# Altium PCB PCB1.PcbDoc (part 1 of 2) (continued)
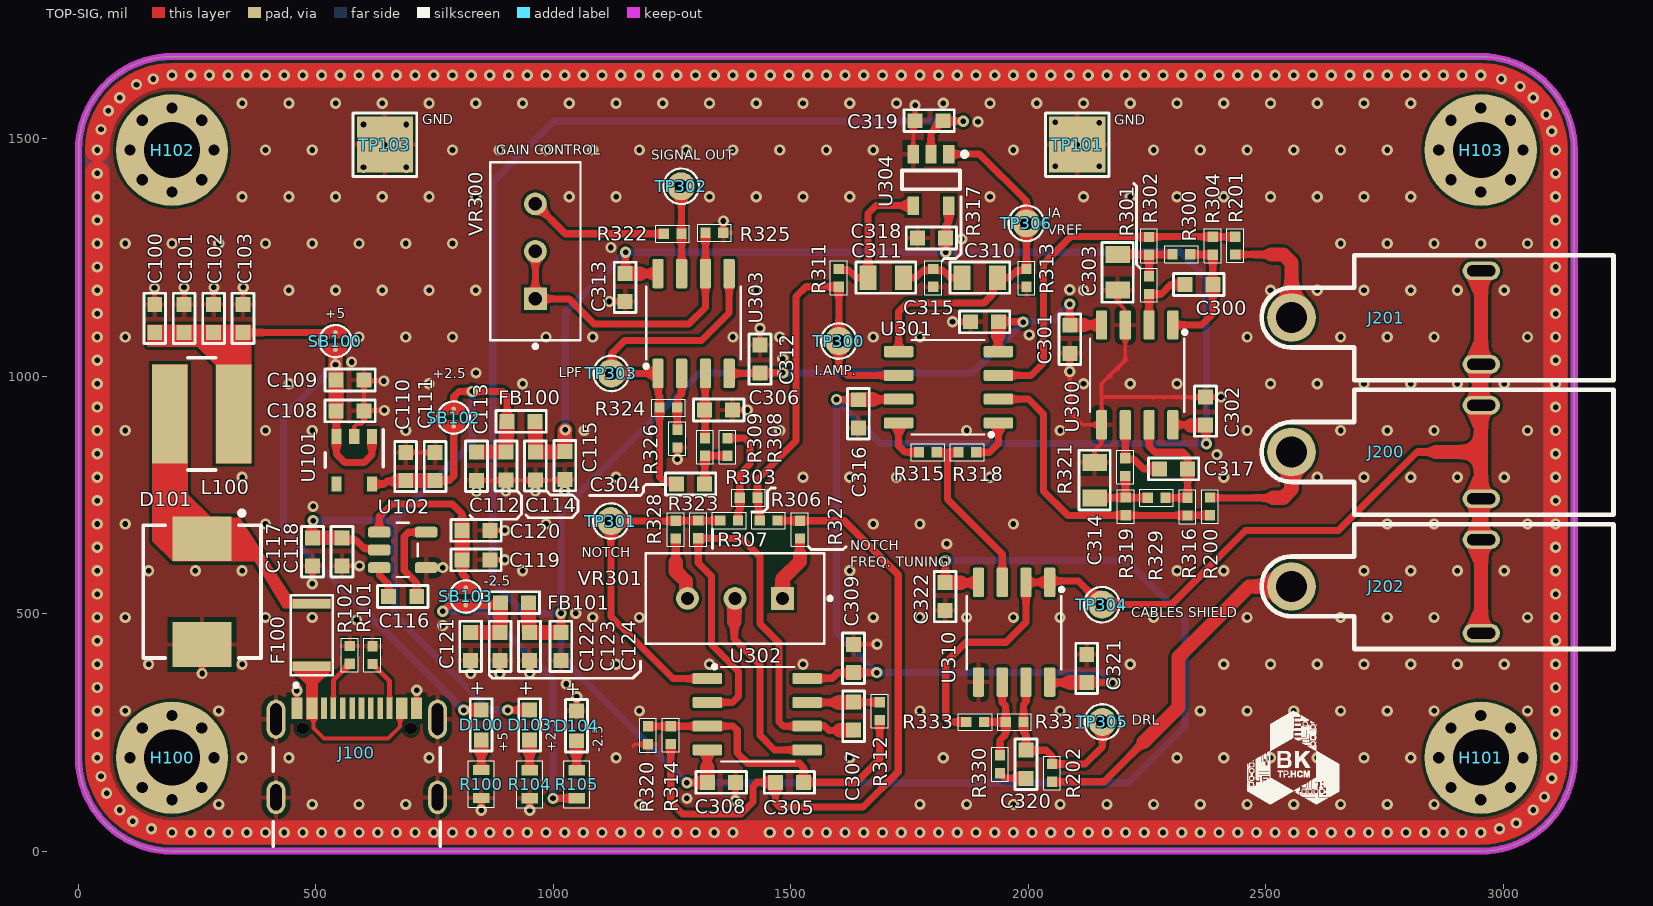
[diagram p0: TOP-SIG view]
## Footprints (in the part's own frame and the unit in brackets; to place one, negate y for a bottom-side part, rotate by r counter-clockwise, add the part's x,y. Pads: shape width x height; smd on the part's side, far side on the other; paste and mask are expansions set on the pad)
"3mm with via" [mm]
  round 6 hole 3 mask+1.5: 0(0,0)
CAP_0603 [mm]
  rect 0.8x0.8 smd: 1(-0.801,0.076) 2(0.699,0.076)
  silkscreen extent -1.4,-0.51 1.3,0.66, body extent -0.85,-0.32 0.75,0.48, height 0.8
CAP_0805 [mm]
  rect 0.9x1.3 smd: 1(-0.975,-0.025) 2(0.925,-0.025)
  silkscreen extent -1.63,-0.86 1.57,0.81, body extent -1.03,-0.65 0.97,0.6, height 0.6
DBV0005A_L [mm]
  rect 0.8x0.55 smd paste+0 mask+0: 1(-1.275,0.95) 2(-1.275,0) 3(-1.275,-0.95) 4(1.275,-0.95) 5(1.275,0.95)
  silkscreen extent -1.63,-1.55 0.38,1.55, body extent -1.5,-1.55 1.5,1.55, height 1.7
"DIN42802-1.5MM SOCKET" [mm]
  oval 2x1 hole 0.6 slot 1.5 at 0 deg: 1(10.15,2.5) 3(10.15,-2.5)
  round 2.6 hole 1.65: 2(0,0)
  silkscreen extent -1.6,-3.35 17.22,3.33, body extent -2.28,-3.19 17.22,3.16, height 6.35
FER_0603 [mm]
  rect 0.8x0.8 smd: 1(-0.801,0.076) 2(0.699,0.076)
  silkscreen extent -1.4,-0.51 1.3,0.66, body extent -0.85,-0.32 0.75,0.48, height 0.8
Fuse_SMD_1206 [mil] "Fuse SMD, size 1206"
  rect 20x80 smd: 0(-66,0) 1(66,0)
  silkscreen extent -85,-44 84,44, body extent -69,-36 69,36, height 20
GCT_USB4105-GF-A [mm]
  rect 0.6x1.15 smd mask+0.05: A1_B12(-3.2,4.755) A4_B9(-2.4,4.755) B1_A12(3.2,4.755) B4_A9(2.4,4.755)
  rect 0.3x1.15 smd mask+0.05: A5(-1.25,4.755) A6(-0.25,4.755) A7(0.25,4.755) A8(1.25,4.755) B5(1.75,4.755) B6(0.75,4.755) B7(-0.75,4.755) B8(-1.75,4.755)
  oval 1x2.1 hole 0.6 slot 1.7 at 90 deg: SH1(-4.32,4.18) SH2(4.32,4.18)
  oval 1x1.8 hole 0.6 slot 1.4 at 90 deg: SH3(-4.32,0) SH4(4.32,0)
  round 0.65 hole 0.65 unplated: ""(-2.89,3.68) ""(2.89,3.68)
  silkscreen extent -4.47,-2.6 4.47,6.1, body extent -4.47,-2.6 4.47,5.11, height 3.31
Inductor_CDRH4D28 [mm] "SMD Power Inductor, body 4.8x4.8x2.8 mm"
  rect 1.9x5.3 smd: 1(-1.7,0) 2(1.7,0)
  silkscreen extent -0.75,-3 0.75,3, body extent -2.42,-2.42 2.48,2.48, height 2.91
R0402 [mm] "Chip Resistor, 2-Leads, Body 1.00x0.50mm, IPC Medium Density"
  rect 0.55x0.55 smd: 1(-0.475,0) 2(0.475,0)
  silkscreen extent -0.9,-0.45 0.9,0.45, body extent -0.5,-0.25 0.5,0.25, height 0.35
R0603 [mm]
  rect 0.55x0.9 smd: 1(-0.75,0) 2(0.75,0)
  silkscreen extent -1.25,-0.7 1.25,0.7, body extent -0.77,-0.43 0.77,0.43, height 0.45
"SMC (DO-214AB)" [mm] "Molded Diode, 2-Leads, Body 6.85x5.91mm, IPC Medium Density"
  rect 2.4x3.15 smd: 1(-2.825,0) 2(2.825,0)
  silkscreen extent -4.32,-3.15 3.55,3.15, body extent -3.77,-3.11 3.77,3.11, height 2.62
SOIC-8 [mm]
  rrect25% 1.57x0.6 smd: 1(-2.667,1.905) 2(-2.667,0.635) 3(-2.667,-0.635) 4(-2.667,-1.905) 5(2.667,-1.905) 6(2.667,-0.635) 7(2.667,0.635) 8(2.667,1.905)
  silkscreen extent -2.39,-2.52 1.98,2.64, body extent -2.97,-2.45 3.02,2.45, height 1.75
SolderBridgeOpen [mil]
  round 10 smd mask+0: 1(18,0) 2(-18,0)
  TOP-SIG region: -10,20 -10,-20 -19,-20 -30,-9 -30,10 -20,20
  TOP-SIG region: 10,20 10,-20 19,-20 30,-9 30,10 20,20
  TOP-SIG lines w10: 10,-20 ccw(c10,0) 10,20 10,-20 ; -10,-20 cw(c-10,0) -10,20 -10,-20
  silkscreen extent -34,-34 34,34
SOT95P280X145-5N [mm]
  rrect50% 1.21x0.59 smd: 1(-1.255,0.95) 2(-1.255,0) 3(-1.255,-0.95) 4(1.255,-0.95) 5(1.255,0.95)
  silkscreen extent -0.33,-1.45 0.8,1.45, body extent -1.5,-1.55 1.5,1.55, height 1.7
SOT-23 [mm] "SOT23, 5-Leads, Body 2.90x2.80mm, Pitch 0.95mm, IPC Medium Density"
  rect 1x0.6 smd: 1(-1.375,0.95) 2(-1.375,0) 3(-1.375,-0.95) 4(1.375,-0.95) 5(1.375,0.95)
  silkscreen extent -1.5,-1.55 0.5,1.93, body extent -1.5,-1.53 1.5,1.53, height 1.45
TestPoint_Pad_3.0x3.0mm [mm]
  rect 3x3 smd paste-2539.97 mask+0: 1(0,0)
  silkscreen extent -1.7,-1.7 1.7,1.7
TestPoint_THTPad_D1.5mm_Drill0.7mm [mm]
  round 1.5 / inner round 1.524 / far side round 1.5 hole 0.7 paste-2539.97 mask+0: 1(0,0)
  silkscreen extent -0.95,-0.95 0.95,0.95
TRIM_3296W [mm]
  rect 1.218x1.218 hole 0.71: 1(-2.54,0)
  round 1.218 hole 0.71: 2(0,0) 3(2.54,0)
  silkscreen extent -5.18,-2.41 4.76,2.42, body extent -4.76,-2.41 4.76,2.42, height 11.55
WL-SMCW_0603_H=0.7mm [mm] "SMD Mono-color Chip LED, body 1.6x0.8mm"
  rect 0.8x0.8 smd: 1(-0.8,0) 2(0.8,0)
  silkscreen extent -1.4,-0.58 1.4,0.58, body extent -0.8,-0.4 0.8,0.4, height 0.7

## Part data
C100 C112 C114 C121 C123: library part 0106031061010, "CAP, size 0603, 10 uF, 10 VDC", Capacitance="10 uF", Manufacture Name="Samsung Electro-Mechanics", Manufacture SN=CL10A106KP8NNWC, Operating Temperature="-55 to +125degC", Tolerance=+/-10%, Voltage Rating DC="10 VDC", Buy=http://tme.vn/Product.aspx?id=1165#page=pro_info, ComponentLink2Description=Datasheet, ComponentLink2URL=https://www.mouser.vn/datasheet/2/585/MLCC-1837944.pdf, Mounting Technology=SMT, Packaging="Tape and Reel", Size=0603, Supplier 1 Name=Mouser, Supplier 1 SN=187-CL10A106KP8NNWC, Supplier 1 URL=https://www.mouser.vn/ProductDetail/Samsung-Electro-Mechanics/CL10A106KP8NNWC?qs=xZ%2FP%252Ba9zWqZx8LSX23YqWA%3D%3D&utm_source=mouser-refine-download&utm_medium=file&utm_campaign=CL10A106KP8NNWC&utm_content=Samsung-Electro-Mechanics, Supplier 2 Name=Digi-Key, Supplier 2 SN=1276-CL10A106KP8NNWCTR-ND, Supplier 2 URL=https://www.digikey.com/en/products/detail/samsung-electro-mechanics/cl10a106kp8nnwc/16572907, Supplier 3 Name=thegioiic, Supplier 3 SN=N/A, Supplier 3 URL=https://www.thegioiic.com/tu-gom-0603-10uf-25v
C101: library part 0106034751035, "CAP, size 0603, 4.7 uF, 35 VDC", Capacitance="4.7 uF", Manufacture Name="Samsung Electro-Mechanics", Manufacture SN=CL10A475KL8NRNC, Operating Temperature="-55 to +125degC", Tolerance=+/-10%, Voltage Rating DC="35 VDC", ComponentLink2Description=Datasheet, ComponentLink2URL=https://www.mouser.vn/datasheet/2/585/MLCC-1837944.pdf, ComponentLink3Description=Buy, ComponentLink3URL=http://www.tme.vn/Product.aspx?id=1163#page=pro_info, Mounting Technology=SMT, Packaging="Tape and Reel", Size=0603, Supplier 1 Name=Mouser, Supplier 1 SN=187-CL10A475KL8NRNC, Supplier 1 URL=https://www.mouser.vn/ProductDetail/Samsung-Electro-Mechanics/CL10A475KL8NRNC?qs=xZ%2FP%252Ba9zWqa0jfvJtp%252BUEg%3D%3D&utm_source=mouser-refine-download&utm_medium=file&utm_campaign=CL10A475KL8NRNC&utm_content=Samsung-Electro-Mechanics, Supplier 2 Name=Digi-Key, Supplier 2 SN=1276-6794-2-ND, Supplier 2 URL=https://www.digikey.com/en/products/detail/samsung-electro-mechanics/cl10a475kl8nrnc/5961278, Supplier 3 Name=thegioiic, Supplier 3 SN=N/A, Supplier 3 URL=N/A
C102 C103 C109 C110 C113 C115 C118 C119 C122 C124 C301 C302 C308 C309 C312 C313 C315 C316 C318 C319 C321 C322: library part 0106031041050, "CAP, size 0603, 100 nF, 50 VDC", Capacitance="100 nF", Manufacture Name=TDK, Manufacture SN=CGA3E3X8R1H104K080AE, Operating Temperature="-55 to +125degC", Tolerance=+/-10%, Voltage Rating DC="50 VDC", ComponentLink2Description=Datasheet, ComponentLink2URL=https://product.tdk.com/system/files/dam/doc/product/capacitor/ceramic/mlcc/catalog/mlcc_automotive_soft_en.pdf?ref_disty=mouser, Mounting Technology=SMT, Packaging="Tape and Reel", Size=0603, Supplier 1 Name=Mouser, Supplier 1 SN=810-CGA3E3X8R1H104KA, Supplier 1 URL=https://www.mouser.com/ProductDetail/TDK/CGA3E3X8R1H104K080AE?qs=nQSIdc08i%252Bd8g3IRRgU2bw%3D%3D&utm_source=mouser-refine-download&utm_medium=file&utm_campaign=CGA3E3X8R1H104K080AE&utm_content=TDK, Supplier 2 Name=Digi-Key, Supplier 2 SN=445-173697-2-ND, Supplier 2 URL=https://www.digikey.com/en/products/detail/tdk-corporation/cga3e3x8r1h104k080ae/5809262, Supplier 3 Name=thegioiic, Supplier 3 SN=N/A, Supplier 3 URL=N/A
  C102 C103: ComponentLink3Description=Buy, ComponentLink3URL=http://www.tme.vn/Product.aspx?id=739#page=pro_info
C108 C111 C116 C117 C120: library part 0106032251010, "CAP, size 0603, 2.2 uF, 10 VDC", Capacitance="2.2 uF", Manufacture Name="Samsung Electro-Mechanics", Manufacture SN=CL10A225KP8NNWC, Operating Temperature="-55 to +125degC", Tolerance=+/-10%, Voltage Rating DC="10 VDC", ComponentLink2Description=Datasheet, ComponentLink2URL=https://www.mouser.vn/datasheet/2/585/Samsung_MLCC_1837944-1929650.pdf, Mounting Technology=SMT, Packaging="Tape and Reel", Size=0603, Supplier 1 Name=Mouser, Supplier 1 SN=187-CL10A225KP8NNWC, Supplier 1 URL=https://www.mouser.vn/ProductDetail/Samsung-Electro-Mechanics/CL10A225KP8NNWC?qs=f6khj2Jg0Fj5oIVDjMV6rg%3D%3D&utm_source=mouser-refine-download&utm_medium=file&utm_campaign=CL10A225KP8NNWC&utm_content=Samsung-Electro-Mechanics, Supplier 2 Name=Digi-Key, Supplier 2 SN=1276-CL10A225KP8NNWCTR-ND, Supplier 2 URL=https://www.digikey.com/en/products/detail/samsung-electro-mechanics/cl10a225kp8nnwc/16572766, Supplier 3 Name=thegioiic, Supplier 3 SN=N/A, Supplier 3 URL=N/A
C300 C304 C306 C317: library part 0106031030550, "CAP, size 0603, 10 nF, 50 VDC", Capacitance="10 nF", Manufacture Name=TDK, Manufacture SN=CGA3E2C0G1H103J080AE, Operating Temperature="-55 to +125degC", Tolerance=+/-5%, Voltage Rating DC="50 VDC", ComponentLink2Description=Datasheet, ComponentLink2URL=https://product.tdk.com/system/files/dam/doc/product/capacitor/ceramic/mlcc/catalog/mlcc_automotive_soft_en.pdf?ref_disty=mouser, Mounting Technology=SMT, Packaging="Tape and Reel", Size=0603, Supplier 1 Name=Mouser, Supplier 1 SN=810-CGA3E2C0G1H103J8, Supplier 1 URL=https://www.mouser.com/ProductDetail/TDK/CGA3E2C0G1H103J080AE?qs=P1JMDcb91o6ZkMITrWTUZQ%3D%3D&utm_source=mouser-refine-download&utm_medium=file&utm_campaign=CGA3E2C0G1H103J080AE&utm_content=TDK, Supplier 2 Name=Digi-Key, Supplier 2 SN=445-CGA3E2C0G1H103J080AETR-ND, Supplier 2 URL=https://www.digikey.com/en/products/detail/tdk-corporation/cga3e2c0g1h103j080ae/11697946, Supplier 3 Name=thegioiic, Supplier 3 SN=N/A, Supplier 3 URL=N/A
C303 C310 C311 C314: library part 0108051061025, "33 µF ±20% 6.3V Ceramic Capacitor X5R 0805 (2012 Metric)", Capacitance="10 uF", Manufacture Name=TDK, Manufacture SN=CGA4J1X7S1E106K125AE, Operating Temperature="-55 to +125degC", Tolerance=+/-10%, Voltage Rating DC="25 VDC", ComponentLink3Description=Buy, ComponentLink3URL=https://www.digikey.com/en/products/detail/tdk-corporation/C2012X5R0J336M125AC/2443464, Mounting Technology=SMT, Packaging="Tape and Reel", Size=0805, Supplier 1 Name=Mouser, Supplier 1 SN=810-CGA4J1X7S1E106K2, Supplier 1 URL=https://www.mouser.vn/ProductDetail/TDK/CGA4J1X7S1E106K125AE?qs=PqoDHHvF64%252BJvhmUzM2odA%3D%3D&utm_source=mouser-refine-download&utm_medium=file&utm_campaign=CGA4J1X7S1E106K125AE&utm_content=TDK, Supplier 2 Name=Digi-Key, Supplier 2 SN=445-181411-2-ND, Supplier 2 URL=https://www.digikey.com/en/products/detail/tdk-corporation/cga4j1x7s1e106k125ae/9744777, Supplier 3 Name=thegioiic, Supplier 3 SN=OEM, Supplier 3 URL=N/A
C305 C307: library part 0106032241050, "CAP, size 0603, 220 nF, 50 VDC", Capacitance="220 nF", Manufacture Name=TDK, Manufacture SN=CGA3E3X7R1H224K080AE, Operating Temperature="-55 to +125degC", Tolerance=+/-10%, Voltage Rating DC="50 VDC", ComponentLink2Description=Datasheet, ComponentLink2URL=https://product.tdk.com/system/files/dam/doc/product/capacitor/ceramic/mlcc/catalog/mlcc_automotive_soft_en.pdf?ref_disty=mouser, Mounting Technology=SMT, Packaging="Tape and Reel", Size=0603, Supplier 1 Name=Mouser, Supplier 1 SN=810-CGA3E3X7R1H224KA, Supplier 1 URL=https://www.mouser.com/ProductDetail/TDK/CGA3E3X7R1H224K080AE?qs=nQSIdc08i%252Bd73MzLq310Yg%3D%3D&utm_source=mouser-refine-download&utm_medium=file&utm_campaign=CGA3E3X7R1H224K080AE&utm_content=TDK, Supplier 2 Name=Digi-Key, Supplier 2 SN=445-173635-2-ND, Supplier 2 URL=https://www.digikey.com/en/products/detail/tdk-corporation/cga3e3x7r1h224k080ae/5809200, Supplier 3 Name=thegioiic, Supplier 3 SN=N/A, Supplier 3 URL=N/A
C320: library part 0106034731050, "CAP, size 0603, 47 nF, 50 VDC", Capacitance="47 nF", Manufacture Name=TDK, Manufacture SN=CGA3E2X7R1H473K080AA, Operating Temperature="-55 to +125degC", Tolerance=+/-10%, Voltage Rating DC="50 VDC", ComponentLink2Description=Datasheet, ComponentLink2URL=https://product.tdk.com/system/files/dam/doc/product/capacitor/ceramic/mlcc/catalog/mlcc_automotive_general_en.pdf?ref_disty=mouser, Mounting Technology=SMT, Packaging="Tape and Reel", Size=0603, Supplier 1 Name=Mouser, Supplier 1 SN=810-CGA3E2X7R1H473K, Supplier 1 URL=https://www.mouser.com/ProductDetail/TDK/CGA3E2X7R1H473K080AA?qs=NRhsANhppD%252BXNlr9LoLgTw%3D%3D&utm_source=mouser-refine-download&utm_medium=file&utm_campaign=CGA3E2X7R1H473K080AA&utm_content=TDK, Supplier 2 Name=Digi-Key, Supplier 2 SN=445-5664-2-ND, Supplier 2 URL=https://www.digikey.com/en/products/detail/tdk-corporation/cga3e2x7r1h473k080aa/2443142, Supplier 3 Name=thegioiic, Supplier 3 SN=N/A, Supplier 3 URL=N/A
D100: library part 160603BlueBlur, "WL-SMCW SMT Mono-color Chip LED Blur, size 0603, Blue, 3.2V, 140deg", Color=Blue, ComponentLink1Description="Datasheet link", ComponentLink1URL=N/A, ComponentLink2Description="Supplier 1 URL", ComponentLink2URL=https://www.mouser.vn/ProductDetail/ams-OSRAM/LB-Q39E-L2OO-35-1?qs=74fRo9GAWsz%2FeNvglIOl1w%3D%3D, ComponentLink3Description="Supplier 2 URL", ComponentLink3URL=https://www.digikey.com/en/products/detail/ams-osram-usa-inc/LB-Q39E-N1OO-35-1/2176321, ComponentLink4Description="Supplier 3 URL", ComponentLink4URL=N/A, ComponentLink5Description=Buy, ComponentLink5URL=https://www.thegioiic.com/led-xanh-duong-0603-dan-smd-trong-suot-harvatek, Size=0603, Supplier 1 Name=Mouser, Supplier 1 SN=720-LBQ39EL2N2351, Supplier 1 URL=https://www.mouser.vn/ProductDetail/ams-OSRAM/LB-Q39E-L2OO-35-1?qs=74fRo9GAWsz%2FeNvglIOl1w%3D%3D, Supplier 2 Name=Digi-Key, Supplier 2 SN=475-LBQ39E-N1OO-35-1TR-ND, Supplier 2 URL=https://www.digikey.com/en/products/detail/ams-osram-usa-inc/LB-Q39E-N1OO-35-1/2176321, Supplier 3 Name=ICDayRoi, Supplier 3 SN=N/A, Supplier 3 URL=N/A, Type=Blur
D101: library part SS34, "Schottky Diodes & Rectifiers 3.0 Amp 40 Volt", Forward Current="3 A", Forward Voltage="500 mV", LCSC Part #=C3008890, Manufacturer="Vishay Semiconductors", Manufacturer Part Number=SS34-E3/57T, Max Surge Current="100 A", Maximum Diode Capacitance=N/A, Operating Temperature Max="+ 85 C", Operating Temperature Min="- 40 C", Package / Case="SMC (DO-214AB)", Peak Reverse Voltage="40 V", Reverse Current="500 uA", Supplier 1 Part Number=625-SS34-E3, Supplier 2 Part Number=SS34-E3/57TGITR-ND, ComponentLink1Description=Datasheet, ComponentLink1URL=https://www.vishay.com/doc?88751, Mount=SMD/SMT, Packaging="Tape and Reel", Power Dissipation=N/A, Recovery Time=N/A, Supplier 1=Mouser, Supplier 1 URL=https://www.mouser.vn/ProductDetail/Vishay-General-Semiconductor/SS34-E3-57T?qs=x2jpVgRnAtMC3f38kYWnRw%3D%3D, Supplier 2=Digi-Key, Supplier 2 URL=https://www.digikey.com/en/products/detail/vishay-general-semiconductor-diodes-division/ss34-e3-57t/1091554, Supplier 3=thegioiic, Supplier 3 Part Number=SS34, Supplier 3 URL=https://www.thegioiic.com/ss34-sma-diode-schottky-3a, Type=Schottky
D103: library part 160603GreenBlur, "WL-SMCW SMT Mono-color Chip LED Blur, size 0603, Green, 3.2V, 140deg", Color=Green, ComponentLink1Description="Datasheet link", ComponentLink1URL=N/A, ComponentLink2Description="Supplier 1 URL", ComponentLink2URL=https://www.mouser.vn/ProductDetail/ROHM-Semiconductor/SMLD12EN1WT86?qs=qSfuJ%252Bfl%2Fd4fR%252B9yZydIwg%3D%3D, ComponentLink3Description="Supplier 2 URL", ComponentLink3URL=https://www.digikey.com/en/products/detail/rohm-semiconductor/SML-D12M8WT86/1641797, ComponentLink4Description="Supplier 3 URL", ComponentLink4URL=N/A, ComponentLink5Description=Buy, ComponentLink5URL=https://www.thegioiic.com/led-xanh-la-0603-dan-smd-trong-suot, Size=0603, Supplier 1 Name=Mouser, Supplier 1 SN=755-SMLD12EN1WT86, Supplier 1 URL=https://www.mouser.vn/ProductDetail/ROHM-Semiconductor/SMLD12EN1WT86?qs=qSfuJ%252Bfl%2Fd4fR%252B9yZydIwg%3D%3D, Supplier 2 Name=Digi-Key, Supplier 2 SN=511-1578-2-ND, Supplier 2 URL=https://www.digikey.com/en/products/detail/rohm-semiconductor/SML-D12M8WT86/1641797, Supplier 3 Name=ICDayRoi, Supplier 3 SN=N/A, Supplier 3 URL=N/A, Type=Blur
D104: library part 160603PinkBlur, "WL-SMCW SMT Mono-color Chip LED Blur, size 0603, Pink", Color=Pink, ComponentLink1Description="Datasheet link", ComponentLink1URL=N/A, ComponentLink2Description="Supplier 1 URL", ComponentLink2URL=N/A, ComponentLink3Description="Supplier 2 URL", ComponentLink3URL=https://www.digikey.com/en/products/detail/rohm-semiconductor/SMLD12HBC7W1/3587026, ComponentLink4Description="Supplier 3 URL", ComponentLink4URL=N/A, ComponentLink5Description=Buy, ComponentLink5URL=https://www.thegioiic.com/led-hong-0603-dan-smd-trong-suot, Size=0603, Supplier 1 Name=Mouser, Supplier 1 SN=N/A, Supplier 1 URL=N/A, Supplier 2 Name=Digi-Key, Supplier 2 SN=846-1108-2-ND, Supplier 2 URL=https://www.digikey.com/en/products/detail/rohm-semiconductor/SMLD12HBC7W1/3587026, Supplier 3 Name=ICDayRoi, Supplier 3 SN=N/A, Supplier 3 URL=N/A, Type=Blur
F100: library part 061206035006, "Resettable Fuse, Size 1206, 6V, 0.35A", Hold Current=0.35A, Manufacturer=Bourns, Threshold Current=100A, Threshold Voltage=6V, Trip Current=0.75A, ComponentLink1Description="Datasheet link", ComponentLink1URL=https://www.bourns.com/docs/Product-Datasheets/mfnsmf.pdf, ComponentLink2Description="Supplier 1 URL", ComponentLink2URL=https://www.mouser.vn/ProductDetail/Bourns/MF-NSMF035-2?qs=3eVyCPG4fwnHDrvs%2FGppSw%3D%3D, ComponentLink3Description="Supplier 2 URL", ComponentLink3URL=https://www.digikey.com/en/products/detail/bourns-inc/MF-NSMF035-2/1232784?s=N4IgTCBcDaILIDEC0A5AyogDAZgKxIgF0BfIA, ComponentLink4Description="Supplier 3 URL", ComponentLink4URL=https://www.thegioiic.com/mf-nsmf035-2-cau-chi-tu-phuc-hoi-1206-6v-0-35a, Mounting Technology=SMT/SMD, Size=1206, Supplier 1 Name=Mouser, Supplier 1 SN=652-MF-NSMF035-2, Supplier 1 URL=https://www.mouser.vn/ProductDetail/Bourns/MF-NSMF035-2?qs=3eVyCPG4fwnHDrvs%2FGppSw%3D%3D, Supplier 2 Name=Digi-Key, Supplier 2 SN=MF-NSMF035-2TR-ND, Supplier 2 URL=https://www.mouser.vn/ProductDetail/Bourns/MF-NSMF035-2?qs=3eVyCPG4fwnHDrvs%2FGppSw%3D%3D, Supplier 3 Name=thegioiic, Supplier 3 SN=MF-NSMF035-2, Supplier 3 URL=https://www.thegioiic.com/mf-nsmf035-2-cau-chi-tu-phuc-hoi-1206-6v-0-35a
FB100 FB101: library part 03060360120125, "Ferrite, 0603, 600 Ohms, 200 mA", Manufacture Name="Wurth Elektronik", Manufacture SN=74279265, Maximum DC Current="200 mA", Maximum DC Resistance="450 mOhms", Operating Temperature="-55 to +125degC", Test Frequency="100 MHz", Tolerance=+/-25%, ComponentLink2Description=Datasheet, ComponentLink2URL=https://www.we-online.com/catalog/datasheet/74279265.pdf, Impedance="600 Ohms", Mounting Technology=SMT, Packaging="Tape and Reel", Size=0603, Supplier 1 Name=Mouser, Supplier 1 SN=710-74279265, Supplier 1 URL=https://www.mouser.com/ProductDetail/Wurth-Elektronik/74279265?qs=sGAEpiMZZMt1hubY80%2Fs8M60rIzA20dglmJIomIYNv0%3D&utm_source=mouser-refine-download&utm_medium=file&utm_campaign=74279265&utm_content=Wurth-Elektronik, Supplier 2 Name=Digi-Key, Supplier 2 SN=N/A, Supplier 2 URL=N/A, Supplier 3 Name=thegioiic, Supplier 3 SN=N/A, Supplier 3 URL=N/A
J100: "USB-C (USB TYPE-C) USB 2.0 Receptacle Connector 24 (16+8 Dummy) Position Surface Mount, Right Angle; Through Hole", Package=None, Availability=Unavailable, ComponentLink1Description=Buy, ComponentLink1URL=https://www.thegioiic.com/cong-usb-cai-3-1-type-c-16-chan-thang-dan-smd, MF="{'manufacturer': u'GCT'}", MP=USB4105-GF-A, Price=None
J200 J201 J202: "3 PIN Socket Female Socket for PCB EEG EMG DIN42802 1.5 mm Connector", ComponentLink1Description=Buy, ComponentLink1URL=https://www.alibaba.com/product-detail/3-PIN-Socket-Female-Socket-for_62497934533.html?chatToken=TDFKeWNGRlpkWFZTWmtkNFRYRnZjVWxhVTBsU2RVcHNkRVpKVTJsMlRteERiM0ZyWlhrM2VHMXhZeTkwTVVSb2RIQnFRMGxKTmtONE9GSllWWFFyVGtka2JsY3ZLMjB6UVdnMmRsaGxWbVZpU2xFNU5HeHRNWHBhVjJNdmFXcHlSelp0VHpKc01sVnFjMGRSYUZSbkwwRm9SM0ZJYjNSd1UxVTFORmszTUhKcGRERnVaVnBHVjJsaVQwdFRTRGx6WnpCcFVURnhXbWRsZHl0UU56bE5NRkJsVjBnelNXRjZibkJGUFE9PSZ2ZXJzaW9uPTIuMC4w&encryptTargetLoginId=8pctgRBMALPo2t4oyiyajgkFqFUijPBH6wdkfYSa%2Bs4%3D
L100: library part IND_22uH_4D28, "22uH 20% 1A SMD Power Inductor 4.8x4.8x2.8 mm", ComponentLink1Description=Buy, ComponentLink1URL=http://tme.vn/Product.aspx?id=1639#page=pro_info, Supply Name=tme, Supply Part Number="22uH 20% 1A SMD Power Inductor 4.8x4.8x2.8 mm", Supply URL=http://www.tme.vn/Product.aspx?id=1639#page=pro_info
R100 R104 R105: "Code 102, 1/10W", ComponentLink1Description=Buy, ComponentLink1URL=https://www.thegioiic.com/dien-tro-1-kohm-0603-1
R101 R102: "RC0402FR-135K1L", ComponentLink1Description=Buy, ComponentLink1URL=https://www.digikey.com/en/products/detail/yageo/RC0402FR-135K1L/14286364
R200 R201 R202 R324: "Code 104, 1/16W 1%", ComponentLink1Description=Buy, ComponentLink1URL=https://www.thegioiic.com/dien-tro-100-kohm-0402-1-
R300 R304 R316 R329: "4.87 MOhms ±1% 0.063W, 1/16W Chip Resistor 0402 (1005 Metric) Moisture Resistant Thick Film", ComponentLink1Description=Buy, ComponentLink1URL=https://www.digikey.com/en/products/detail/yageo/RC0402FR-074M87L/5917698
R301 R321: "3.16 MOhms ±1% 0.063W, 1/16W Chip Resistor 0402 (1005 Metric) Automotive AEC-Q200 Thick Film", ComponentLink1Description=Buy, ComponentLink1URL=https://www.digikey.com/en/products/detail/vishay-dale/CRCW04023M16FKED/1178404
R302 R319: "48.7 kOhms ±1% 0.063W, 1/16W Chip Resistor 0402 (1005 Metric) Automotive AEC-Q200, Moisture Resistant Thick Film", ComponentLink1Description=Buy, ComponentLink1URL=https://www.digikey.com/en/products/detail/yageo/AC0402FR-0748K7L/5895382
R303 R306 R307 R313: "0 Ohms Jumper Chip Resistor 0402 (1005 Metric) Moisture Resistant Thick Film", ComponentLink1Description=Buy, ComponentLink1URL=https://www.digikey.com/en/products/detail/yageo/RC0402JR-070RL/726406
R308: "4.22 kOhms ±1% 0.1W, 1/10W Chip Resistor 0402 (1005 Metric) Automotive AEC-Q200 Thick Film", ComponentLink1Description=Buy, ComponentLink1URL=https://www.digikey.com/en/products/detail/panasonic-electronic-components/ERJ-2RKF4221X/192338
R309: "60.4 kOhms ±1% 0.063W, 1/16W Chip Resistor 0402 (1005 Metric) Moisture Resistant Thick Film", ComponentLink1Description=Buy, ComponentLink1URL=https://www.digikey.com/en/products/detail/yageo/RC0402FR-0760K4L/726643
R311 R317: "138 kOhms ±1% 0.1W, 1/10W Chip Resistor 0402 (1005 Metric) Automotive AEC-Q200, Moisture Resistant Thin Film", ComponentLink1Description=Buy
  R311: ComponentLink1URL=https://www.digikey.com/en/products/detail/koa-speer-electronics-inc/RN73R1ETTP1383F25/10000727
  R317: ComponentLink1URL=https://www.digikey.com/en/products/detail/yageo/RC0402FR-1354K9L/17024812
R312 R323 R327 R328: "14.5 kOhms ±0.5% 0.063W, 1/16W Chip Resistor 0402 (1005 Metric) Thin Film", ComponentLink1Description=Buy, ComponentLink1URL=https://www.digikey.com/en/products/detail/yageo/RT0402DRD0714K5L/7708273
R314 R320: "2.87 MOhms ±1% 0.063W, 1/16W Chip Resistor 0402 (1005 Metric) Automotive AEC-Q200 Thick Film", ComponentLink1Description=Buy, ComponentLink1URL=https://www.digikey.com/en/products/detail/vishay-dale/CRCW04022M87FKED/1178399
R315 R318: "255 Ohms ±1% 0.1W, 1/10W Chip Resistor 0402 (1005 Metric) Automotive AEC-Q200 Thick Film", ComponentLink1Description=Buy, ComponentLink1URL=https://www.digikey.com/en/products/detail/panasonic-electronic-components/ERJ-2RKF2550X/192252
R322 R325 R326 R330 R333: "Code 103, 1/16W 1%", ComponentLink1Description=Buy, ComponentLink1URL=https://www.thegioiic.com/dien-tro-10-kohm-0402-1-
R331: "Code 105, 1/16W 1%", ComponentLink1Description=Buy, ComponentLink1URL=https://www.thegioiic.com/dien-tro-1-mohm-0402-1-
TP300 TP301 TP302 TP303 TP304 TP305 TP306: "Test Point TEST-1BK", Supply Name=BanLinhKien, Supply Part Number="Test Point TEST-1BK", Supply URL=https://banlinhkien.com/test-point-test1bk-mau-den-5c-p18255999.html
U101: "Linear Voltage Regulator IC Positive Fixed 1 Output 200mA SOT-23-5", Mfr_Name="Texas Instruments", ComponentLink1Description=Buy, ComponentLink1URL=https://www.digikey.com/en/products/detail/texas-instruments/TPS7A0525PDBVR/9489224, RefDes=RefDes, Type=TYPE
U102: "60mA Charge Pump Voltage Inverter with Fixed 250kHz Operation", Package="SOT-23-5 Texas Instruments", Arrow_Electronics-Purchase-URL=https://snapeda.com/shop?store=Arrow+Electronics&id=1101412, Availability=Unavailable, ComponentLink1Description=Buy, ComponentLink1URL=https://www.digikey.com/en/products/detail/texas-instruments/TPS60403DBVR/1672064, DigiKey-Purchase-URL=https://snapeda.com/shop?store=DigiKey&id=1101412, MF="Texas Instruments", Mouser-Purchase-URL=https://snapeda.com/shop?store=Mouser&id=1101412, MP=TPS60403DBVR, Price=None, SnapEDA_Link=https://www.snapeda.com/parts/TPS60403DBVR/Texas%20Instruments/view-part/1101412/?ref=snap, Texas_Instruments-Purchase-URL=https://snapeda.com/shop?store=Texas+Instruments&id=1101412
U300 U302 U303 U310: "0.05μV/°C max, Single-Supply CMOS Operational Amplifiers Zero-drift Series", ComponentLink1Description=Buy, ComponentLink1URL=https://www.digikey.com/en/products/detail/texas-instruments/OPA2735AIDR/1572381
U301: "Precision, Low Power Instrumentation Amplifiers", ComponentLink1Description=Buy, ComponentLink1URL=https://www.digikey.com/en/products/detail/texas-instruments/INA128UA-2K5/300998, ComponentLink2Description=Datasheet, ComponentLink2URL=https://www.ti.com/lit/ds/symlink/ina129-ep.pdf?ts=1697381225295&ref_url=https%253A%252F%252Fwww.google.com%252F
U304: "Zero-Drift Amplifier 1 Circuit Rail-to-Rail SOT-23-5", Mfr_Name="Texas Instruments", ComponentLink1Description=Buy, ComponentLink1URL=https://www.digikey.com/en/products/detail/texas-instruments/OPA735AIDBVR/1572946, RefDes=RefDes, Type=Type
VR300: "100 KOhms 0.5W, PC Pins Through Hole Trimmer Potentiometer Cermet 25.0 Turn Top Adjustment", Package="NON STANDARD-3 Bourns", Availability="In Stock", Buy=https://thegioiic.com/3296w-104-bien-tro-100-kohm-3-chan-chinh-top-0-5w, Check_prices=https://www.snapeda.com/parts/3296W-1-250/Bourns/view-part/?ref=eda, MF=Bourns, MP=3296W-1-250, Price=None, Purchase-URL=https://pricing.snapeda.com/search/part/3296W-1-250/?ref=eda, SnapEDA_Link=https://www.snapeda.com/parts/3296W-1-250/Bourns/view-part/?ref=snap
VR301: "1 KOhms 0.5W, PC Pins Through Hole Trimmer Potentiometer Cermet 25.0 Turn Top Adjustment", Buy=https://thegioiic.com/3296w-102-bien-tro-1-kohm-3-chan-chinh-top-0-5w

## Via types
v1: diameter 23.62, hole 11.81, TOP-SIG to BOT-SIG, tented both sides, 532 vias
v2: diameter 23.62, hole 23.62, TOP-SIG to BOT-SIG, 32 vias

## Nets (pads, with @x,y where several pads share a name; then routed paths per layer and width w, separated by ;. In a path a pad name is that pad's centre, name@x,y a point inside that pad or via, vN(x,y) a via of type N, cw(c..) or ccw(c..) an arc to the next point about the centre after c; other vN are vias at no path point)
+2.5: C112.2 C113.2 C117.2 C118.2 D103.2 FB100.1 SB102.1 U102.2 | length 1590.7
  TOP-SIG w15: C117.2@492.7,659.78 493.35,660.43 493.35,695.35 v1(494,696) ; C118.2@554.7,659.78 559.09,655.38 583.62,655.38 601.6,637.4 630.13,637.4 U102.2@633.29,634.25 ; SB102.1@790,931 790,956.98 801.02,968 893.69,968 902.47,959.21 FB100.1@902.47,905 ; v1(904,297) 904.25,297.25 949.61,297.25 D103.2@949.85,297.5
  TOP-SIG w30: C117.2@492.7,659.78 C118.2@554.7,659.78 ; C113.2@838,840 838.26,840.26 899.74,840.26 C112.2@900,840.53 FB100.1@900,902.53
  BOT-SIG w15: v1(494,696) 665,696 ; v1(829,968) 829,860 665,696 ; v1(904,297) 865.2,297 665,497.2 665,696
+2.5_A: C114.2 C115.2 C302.2 C309.1 C313.1 C316.2 C318.1 C321.2 FB100.2 U300.8 U301.7 U302.8 U303.8 U304.5 U310.8 | length 4854.3
  TOP-SIG w8: U310.8@2045,355.98 U310.8@2045.98,355
  TOP-SIG w15: C313.1@1151,1216.53 1151.5,1217.03 1151.5,1260.5 v1(1152,1261) ; 1183,1216 U303.8@1220,1216 ; U302.8@1534.9,364 1535.01,364.11 1587.11,364.11 1598.72,375.72 C309.1@1617.47,375.72 ; v1(1596,951) 1596.24,950.76 1641.76,950.76 C316.2@1642,950.53 ; C309.1@1632,376.47 1632.24,376.24 1680.76,376.24 v1(1681,376) ; 1674,951 1726.2,951 U301.7@1727,951.8 ; v1(1826,1261) 1825,1262 1825,1291 1827.46,1293.46 1827.46,1320.46 1832.4,1325.4 U304.5@1832.4,1359.32 ; U310.8@2045.98,355 2085,355 ; C321.2@2123,355.47 2123.74,354.74 2177.26,354.74 v1(2178,354) ; U300.8@2304.26,897.82 2340.12,897.82 2341.47,896.47 ; C302.2@2372.39,896.47 2374.07,894.79 2374.07,858.93 v1(2375,858)
  TOP-SIG w30: FB100.2@961.53,905 961.76,904.76 961.76,840.76 C114.2@962,840.53 1023.07,840.53 C115.2@1024,841.46 1024,886 v1(1025,887) ; C313.1@1151.53,1216 1183,1216 ; C316.2@1642,950.53 1642.47,951 1674,951 ; 2085,355 C321.2@2122.53,355 ; 2341.47,896.47 C302.2@2372.39,896.47
  BOT-SIG w15: v1(1025,887) 1025,1134 v1(1152,1261) v1(1826,1261) 2321,1261 2375,1207 v1(2375,858) 1689,858 v1(1596,951) 1596,459.24 1679,376.24 1679,376 2153.67,376 2175.67,354 v1(2178,354)
+5: C108.2 C109.2 D100.2 SB100.1 U101.1 U101.3 | length 1315.1
  TOP-SIG w15: C108.2@542.4,927.1 542.73,926.76 542.73,873.72 U101.3@543.07,873.38 543.07,835.93 561,818 601,818 617.87,834.87 U101.1@617.87,873.38 ; v1(811,297) 811.25,297.25 847.75,297.25 D100.2@848,297.5
  TOP-SIG w30: SB100.1@541,1056 v1(541,1024.12) 541,992.25 542.4,990.85 C108.2@542.4,927.1
  BOT-SIG w15: v1(541,1024.12) 432,915.12 432,676 v1(811,297)
-2.5: C121.2 C122.2 FB101.1 R105.2 SB103.1 | length 844.2
  TOP-SIG w15: v1(767,505) 779.73,517.73 815.28,517.73 882.86,517.73 887.95,522.81 FB101.1@888.19,523.06 ; v1(999,111) 999.24,111.24 1048.76,111.24 R105.2@1049,111.47
  TOP-SIG w30: C121.2@825.71,460.58 C122.2@887.71,460.58 887.95,460.83 FB101.1@887.95,522.81
  BOT-SIG w15: v1(767,505) 855.8,505 998.69,362.11 998.69,238.7 999,238.39 v1@999,112.14
-2.5_A: C123.2 C124.2 C301.1 C308.2 C312.2 C315.1 C319.2 C322.1 FB101.2 U300.4 U301.4 U302.4 U303.4 U304.2 U310.4 | length 6733.9
  TOP-SIG w15: C124.2@1015.71,460.58 1015.85,460.73 1015.85,500.85 v1(1016,501) ; v1(1281,144) 1281.5,144.5 1323.5,144.5 C308.2@1324,145 ; 1324,176 1324,213.1 U302.4@1324.15,213.25 ; U303.4@1370,1006 1410,1006 1411,1007 1434.47,1007 v1(1483,1007) ; U304.2@1795,1467.58 1795,1512.47 C319.2@1820.53,1538 1821.03,1537.5 1862.5,1537.5 v1(1863,1537) ; C322.1@1825,565.53 v1(1825,612) ; 1858,565 1894.02,565 U310.4@1895,565.98 ; 1936,1086 1936,1052.8 U301.4@1937,1051.8 ; C315.1@1937.48,1114.71 1988.29,1114.71 v1(1989,1114) ; v1(2087.13,1151.87) 2087.13,1107.48 C301.1@2087.26,1107.35 ; 2117,1108 2154.08,1108 U300.4@2154.26,1107.82
  TOP-SIG w30: FB101.2@947.25,523.06 947.25,463.05 949.71,460.58 C124.2@1015.71,460.58 ; C308.2@1324,145 1324,176 ; C312.2@1434.47,1007 C312.2@1435,1006.47 ; C322.1@1825,565.53 1825.53,565 1858,565 ; 1936,1086 1936.74,1086.74 1936.74,1113.96 C315.1@1937.48,1114.71 ; C301.1@2087.26,1107.35 2087.91,1108 2117,1108
  BOT-SIG w15: v1(1825,612) 2207,612 2330,489 2330,263 2211,144 v1(1281,144) 1016,409 v1(1016,501) ; v1(1863,1537) 1000,1537 872.27,1409.27 872.27,568.51 939.78,501 v1(1016,501) ; v1(2087.13,1151.87) 2050.9,1115.64 1990.64,1115.64 1882,1007 v1(1483,1007) 1307.79,1007 1034.62,733.83 1024.91,724.12 1024.79,724.12 1016,715.33 v1(1016,501)
EEG_CH1_VCM_4: R315.2 R318.2 U310.3 | length 365.5
  TOP-SIG w15: R315.2@1807.35,840.21 1807.46,840.1 1830,840.1 ; 1830,817.18 1830,741 1945,626 U310.3@1945,565.98 ; 1830,819 1830,840.1 ; R318.2@1852.82,839.99 1852.71,840.1 1830,840.1